# Allegro board mini_trx_layout.brd (continued)
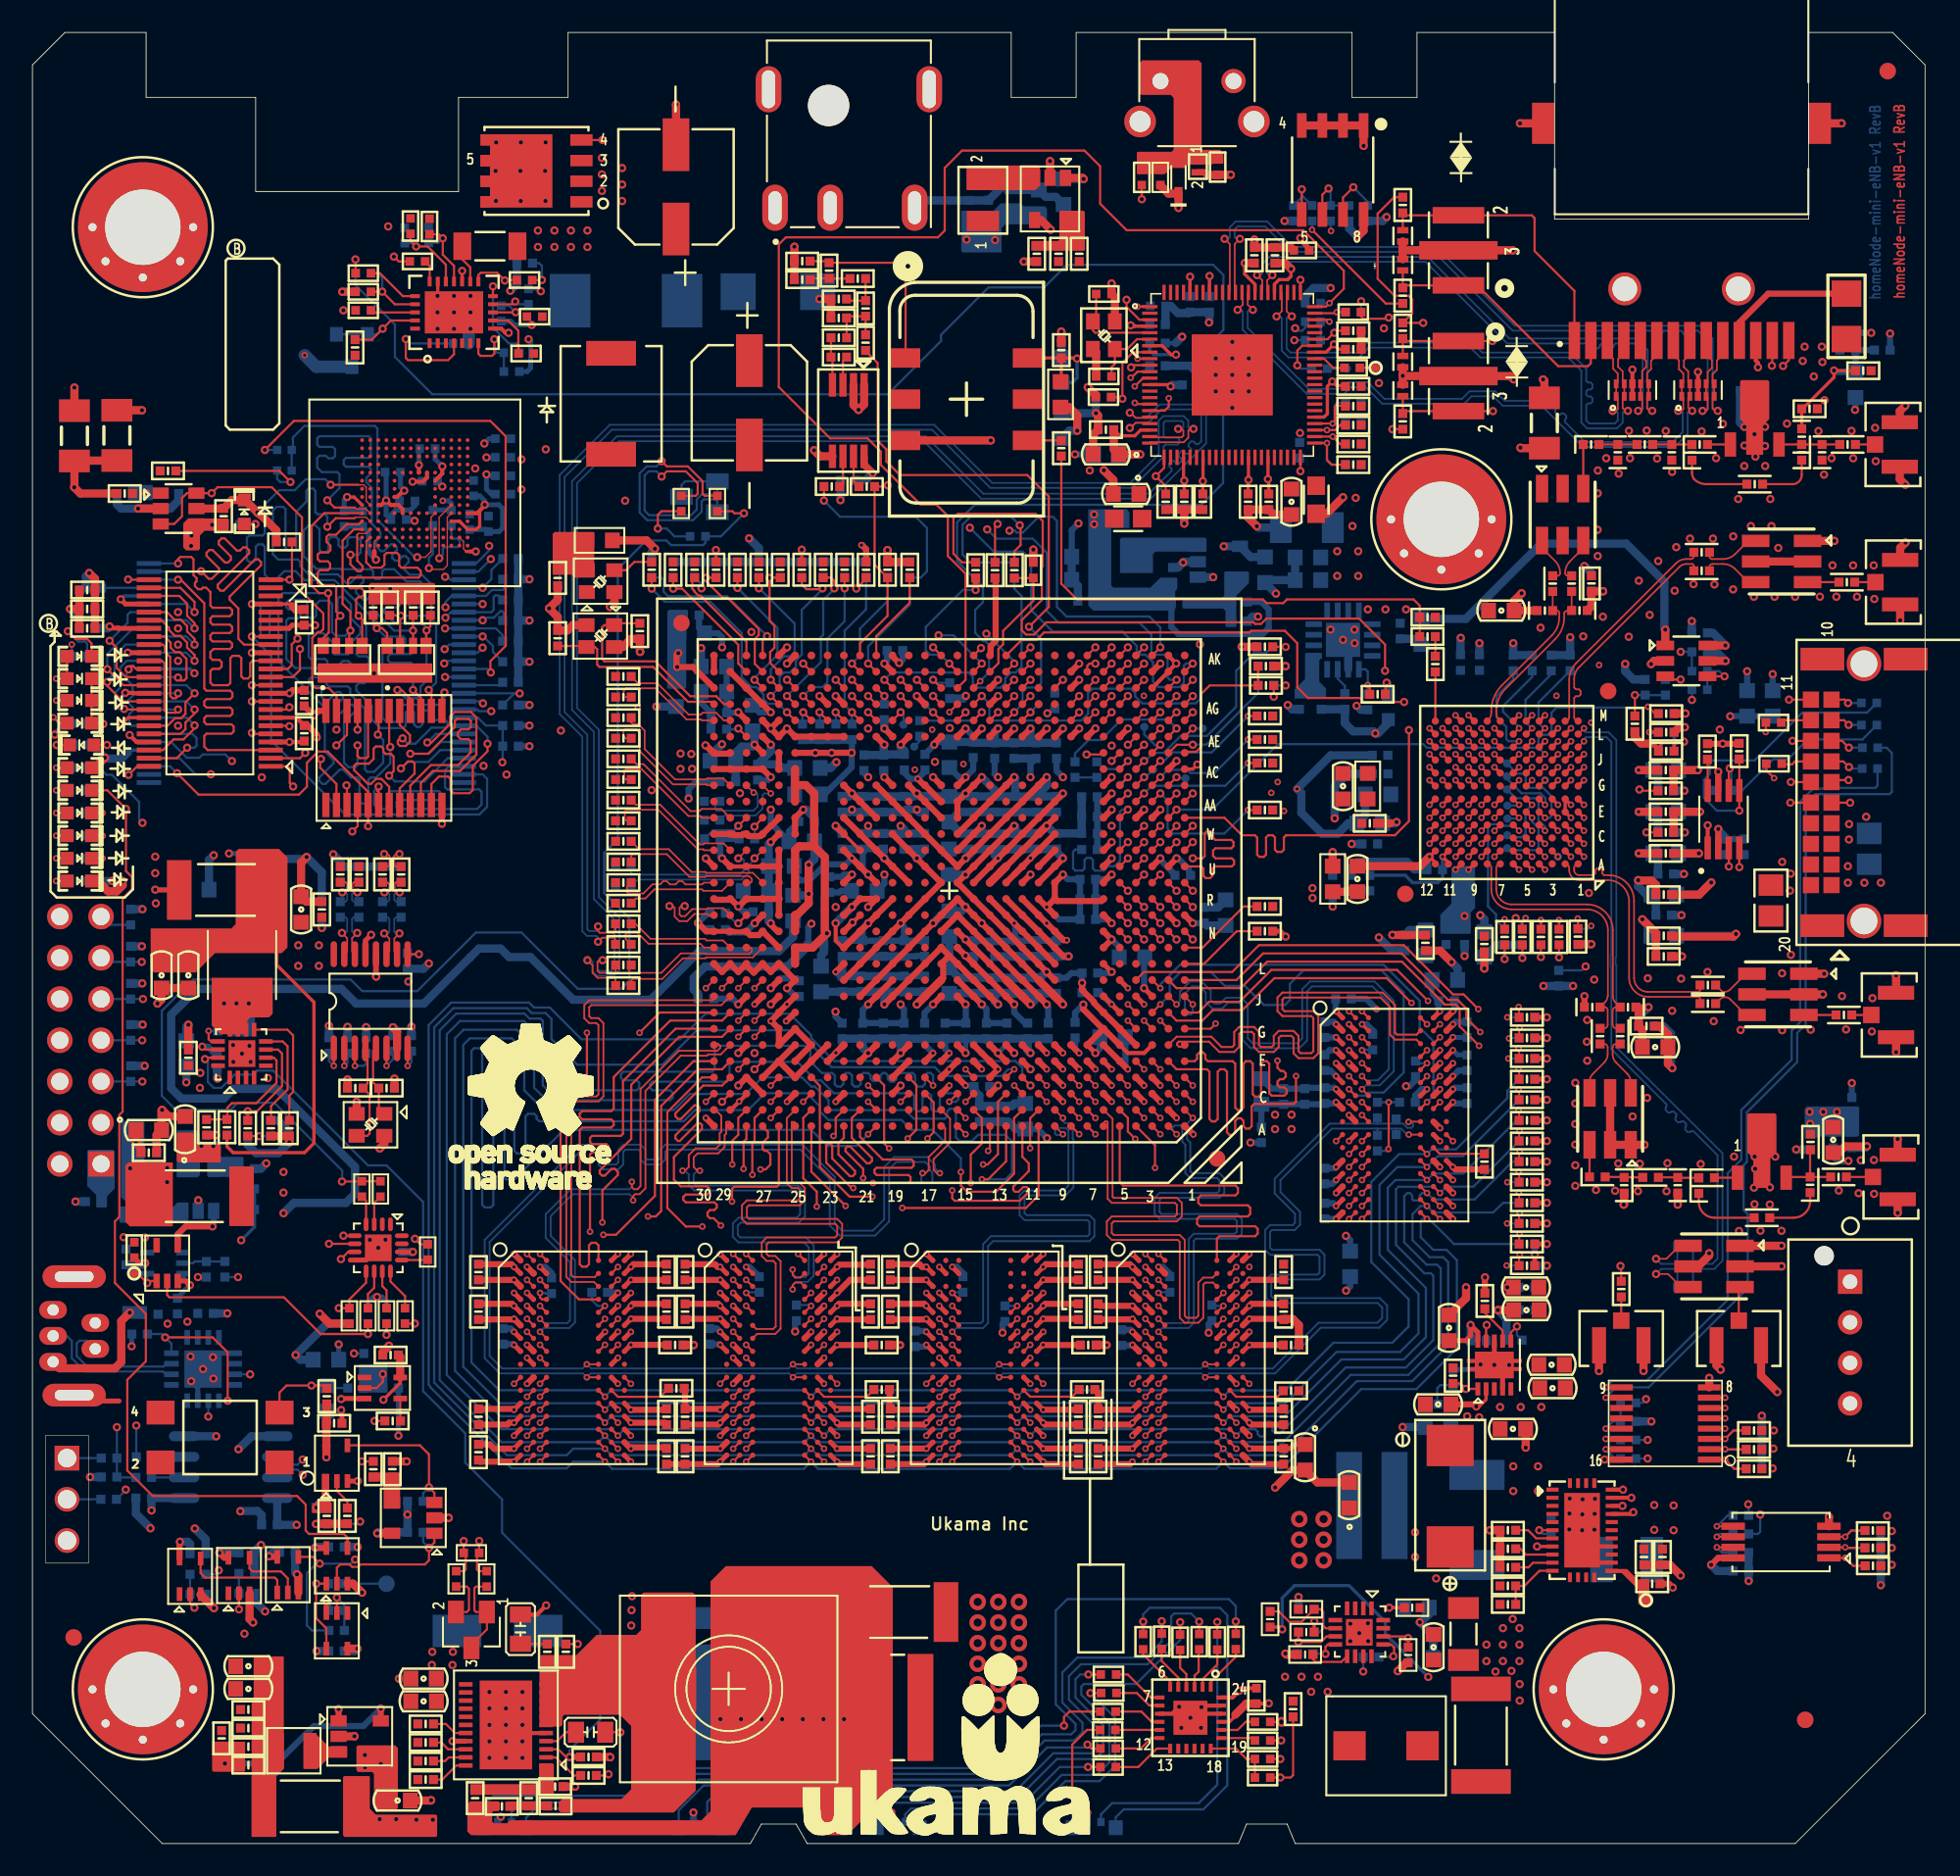
[diagram p0: board, top side]
## Routing (per net, layer and track width the routed paths; a pad name or vN(x,y) marks a point on that pad's centre or on a via; arc(x,y) is an arc through that point) (continued)
  BOTTOM w0.137: R612.2 79.98,99.39 v2(80,99.37)
EE_DOUT_C1_LED: length 111.4
  TOP w0.137: v2(78.84,99.44) 83.38,94.9 84.42,94.9 R615.1 ; LED21.1 1.64,69.04 v2(1.29,69.4) ; U243.11 68.08,90.7 67.71,90.33 v2(67.66,90.33)
  L3-SIGNAL w0.127: v2(1.29,69.4) 1.85,69.96 1.85,70.69 1.07,71.48 1.07,72.07 1.37,72.38 1.37,78.74 13.58,90.95 16.58,90.95 17.21,91.58 17.4,91.78 62.92,91.78 63.97,90.73 67.26,90.73 v2(67.66,90.33) 67.71,90.33 68.08,90.7 70.14,90.7 71.98,92.54 71.98,98.91 72.58,99.51 78.76,99.51 v2(78.84,99.44)
  BOTTOM w0.137: R611.2 v2(78.84,99.44)
EEPROM_WP: length 8.7
  TOP w0.137: U1.AJ15 v1(56.49,72.71)
  TOP w0.381: v1(58.11,77.24) R401.1
  BOTTOM w0.137: v1(56.49,72.71) 55.94,73.26 55.3,73.26 55.04,73.52 55.04,74.96 57.32,77.24 v1(58.11,77.24)
EFUSE_IN_12V: length 0.7
  TOP w0.203: U246.15 v1(26.47,96.91)
  vias: v1(31.14,99.4) v1(31.14,98.38) v1(32.16,99.4) v1(32.16,98.38) v1(33.17,99.4) v1(33.17,98.38) v1(34.19,99.4) v1(34.19,98.38)
EMMC_3V3: length 27.3
  TOP w0.203: 27.39,81.98 27.55,81.98 27.55,81.18 27.35,80.98 U29.P3 U29.N4 U29.M4 ; 20.97,77.45 v1(20.95,77.42)
  TOP w0.254: U29.P5 27.39,81.98 27.86,82.45 v1(27.86,82.5) ; v1(25.25,84.86) 25.25,84.42 U29.K9 ; v1(21.79,82.76) 21.79,82.77 ; 21.79,82.77 21.77,82.77 21.48,82.48 U29.C6 ; 21.79,82.77 22.08,82.48 U29.E6 22.55,82.48 22.81,82.22 U29.F5 ; v1(23.42,83.92) 24.05,83.92 24.31,84.18 U29.J10
  BOTTOM w0.305: v1(23.42,83.92) 23.44,83.95 C376.1 ; C386.1 28.06,84.28 v1(27.97,84.37) 27.97,83.46 28.27,83.15 C387.1 ; v1(25.25,84.86) 24.81,85.3 C377.1 ; C385.1 28.5,85.41 v1(27.97,85.41) ; v2(25.28,82.74) 25.64,82.74 25.81,82.58 R420.1 25.79,82.18 R419.1 ; C374.1 23.56,82.44 23.29,82.17 22.39,82.17 22.08,81.86 C375.1 21.79,81.88 v1(21.79,82.76) 21.79,84.44 C372.1 ; C384.1 28.14,86.57 v1(27.84,86.27) ; C381.1 27.56,83.04 27.86,82.74 v1(27.86,82.5) 28.73,82.5 28.97,82.26 28.97,81.06 28.75,80.85 C382.1 27.97,80.97 C379.1
  vias: v1(9.8,80.6) v1(9.77,79.96) v1(11.07,81.26) v1(21.05,72.11) v1(22.04,77.35)
EMMC_CLK: length 45.5
  TOP w0.083: v1(25.06,79.2) 25.06,79.21 25.06,81.73 U29.M6
  TOP w0.137: U27.21 v1(20.03,68.64)
  L3-SIGNAL w0.127: v1(20.03,68.64) 19.9,68.64 19.25,67.99 19.25,66.15 17.47,64.36 15.58,64.36 14.57,65.37 14.57,65.89 14.19,66.27 13.43,66.27 13.09,65.93 11.97,65.93 11.12,66.78 11.12,74.55 11.3,74.72 11.3,75.25 14.7,78.65 16.16,78.65 16.19,78.62 23.74,78.62 24.4,79.28 24.99,79.28 v1(25.06,79.2)
  BOTTOM w0.137: R420.2 25.81,80.49 25.88,80.41 26.18,80.41 26.31,80.27 26.31,80.03 26.18,79.89 25.41,79.89 25.28,79.75 25.28,79.42 25.06,79.2 v1(25.06,79.2)
EMMC_CMD: length 45.6
  TOP w0.083: v1(24.43,78.59) 24.5,78.51 25.32,78.51 25.56,78.75 25.56,81.73 U29.M5
  TOP w0.137: v1(18.73,67.67) 19.38,68.32 U27.22
  L3-SIGNAL w0.127: v1(24.43,78.59) 24.11,78.27 16.07,78.27 16.02,78.32 14.84,78.32 12.65,76.14 12.65,75.96 12.94,75.67 12.94,75.49 12.76,75.31 12.58,75.31 12.29,75.6 12.11,75.6 11.63,75.11 11.63,74.59 11.45,74.41 11.45,66.91 12.1,66.26 12.88,66.26 13.28,66.65 14.37,66.65 14.9,66.12 14.9,65.51 15.72,64.69 17.11,64.69 17.67,65.25 17.67,65.43 17.26,65.84 17.26,66.02 17.44,66.2 17.62,66.2 18.02,65.79 18.2,65.79 18.73,66.31 v1(18.73,67.67)
  BOTTOM w0.137: R419.2 24.67,79.47 24.43,79.23 v1(24.43,78.59)
EMMC_D0: length 40.8
  TOP w0.137: U29.A3 19.8,80.98 19.1,80.28 19.1,76.39 19.59,75.91 v1(19.59,74.74) 19.52,74.67 19.52,73.81 NR1.6 ; U27.20 20.68,66.98 20.58,66.88 20.16,66.88 20.03,67.02 v1(20.03,67.67)
  BOTTOM w0.137: v1(19.59,74.74) 19.27,74.43 18.69,74.43 18.46,74.65 18.46,76.37 18.25,76.58 17.69,76.58 17.48,76.37 17.48,75.66 17.34,75.52 17.07,75.52 16.93,75.66 16.93,76.5 16.79,76.64 15.82,76.64 15.64,76.46 15.64,76.19 15.78,76.05 16.36,76.05 16.5,75.91 16.5,75.64 16.36,75.5 15.78,75.5 15.64,75.36 15.64,72.98 16.19,72.44 17.66,72.44 17.8,72.3 17.8,72 17.66,71.86 17.17,71.86 17.04,71.73 17.04,71.45 17.17,71.32 17.66,71.32 17.8,71.18 17.8,70.69 18.04,70.45 18.23,70.45 18.74,70.95 18.93,70.95 19.13,70.76 19.13,70.57 18.62,70.06 18.62,69.87 18.82,69.67 19.01,69.67 19.52,70.18 19.71,70.18 19.9,69.98 19.9,69.79 19.53,69.41 19.53,69.4 19.2,69.07 19.2,66.6 19.47,66.33 19.89,66.33 20.03,66.47 v1(20.03,67.67)
EMMC_D1: length 40.6
  TOP w0.137: U27.19 21.33,68.38 v1(21.28,68.33) ; NR1.7 18.71,75.4 v1(18.97,75.66) 18.71,75.91 18.71,77.41 18.58,77.55 17.71,77.55 17.57,77.69 17.57,78.33 17.71,78.46 18.2,78.46 18.34,78.6 18.34,78.87 18.2,79.01 17.71,79.01 17.57,79.15 17.57,79.42 17.71,79.56 18.22,79.56 18.36,79.7 18.36,79.97 18.11,80.22 18.11,80.51 18.25,80.65 18.7,80.65 19.36,81.31 20.14,81.31 U29.A4
  BOTTOM w0.137: v1(18.97,75.66) 18.8,75.82 18.8,76.69 18.94,76.82 19.16,76.82 19.62,76.36 19.62,75.5 20.2,74.91 20.2,74.57 19.58,73.94 19.58,73.42 19.44,73.28 18.62,73.28 18.48,73.42 18.48,74.02 17.93,74.58 17.15,74.58 17.02,74.44 17.02,73.13 17.15,72.99 18.03,72.99 18.17,72.86 18.17,72.49 18.3,72.36 18.61,72.36 19.12,72.87 19.44,72.87 19.58,72.74 19.58,72.12 19.44,71.98 18.25,71.98 18.11,71.84 18.11,71.44 18.25,71.3 19.44,71.3 19.58,71.16 19.58,70.82 20.49,69.91 20.49,66.18 20.63,66.04 21.05,66.04 21.61,66.6 21.61,68 v1(21.28,68.33)
EMMC_D2: length 44.2
  TOP w0.137: U29.A5 20.31,81.98 17.98,81.98 17.2,81.2 17.2,77.51 17.66,77.05 v1(18.22,77.05) 18.26,77.01 18.26,74.63 17.91,74.28 NR1.8 ; v1(22.04,67.57) 22.04,67.59 21.98,67.66 U27.18
  BOTTOM w0.137: v1(18.22,77.05) 15.42,77.05 15.16,76.79 15.16,76.52 15.02,76.39 14.2,76.39 14.06,76.25 14.06,74.49 14.2,74.36 14.47,74.36 14.61,74.49 14.61,75.7 14.75,75.84 15.02,75.84 15.16,75.7 15.16,72.85 18.01,70 18.01,67.3 18.55,66.76 18.55,66.57 17.67,65.68 17.67,65.49 17.86,65.3 18.05,65.3 18.94,66.18 19.13,66.18 19.63,65.69 20.01,65.69 20.15,65.55 20.15,64.22 20.29,64.09 20.56,64.09 20.7,64.22 20.7,65.55 20.83,65.69 21.18,65.69 22.04,66.55 v1(22.04,67.57)
EMMC_D3: length 41.6
  TOP w0.083: 20.56,80.23 20.56,79.64
  TOP w0.137: 20.56,79.64 20.56,78.95 20.9,78.62 21.5,78.62 21.69,78.8 21.69,79.39 21.82,79.53 22.46,79.53 22.6,79.39 22.6,78.75 22.73,78.62 23.72,78.62 23.92,78.41 23.92,78.14 23.78,78.01 19.58,78.01 19.44,77.87 19.44,77.49 19.58,77.35 20.26,77.35 20.4,77.22 20.4,76.94 20.26,76.8 20.08,76.8 19.94,76.67 19.94,75.81 v1(20.1,75.66) 20.31,75.44 NR1.5 ; U27.17 22.63,68.94 23.26,68.3 23.26,67.9 22.99,67.63 22.65,67.63 22.51,67.77 22.51,67.96 22.65,68.1 v1(22.8,68.1) ; U29.B2 20.56,80.23
  BOTTOM w0.137: v1(20.1,75.66) 20.13,75.66 20.55,75.23 20.55,73.9 20.42,73.76 20.1,73.76 19.96,73.63 19.96,73.3 20.1,73.16 20.59,73.16 20.72,73.02 20.72,72.75 20.59,72.61 20.1,72.61 19.96,72.47 19.96,72.18 20.1,72.04 20.46,72.04 20.59,71.91 20.59,71.63 20.46,71.49 20.1,71.49 19.96,71.36 19.96,71.05 20.9,70.11 20.9,69.28 21.44,68.74 22.14,68.74 22.85,68.74 22.99,68.87 22.99,69.69 23.13,69.83 23.37,69.83 23.51,69.69 23.51,68.96 23.67,68.8 23.87,68.8 24.03,68.96 24.03,69.69 24.16,69.83 24.41,69.83 24.55,69.69 24.55,69.38 24.7,69.23 25.43,69.23 25.57,69.09 25.57,68.9 25.43,68.76 24.58,68.76 23.59,67.77 23.13,67.77 v1(22.8,68.1)
EMMC_D4: length 41.8
  TOP w0.083: 20.01,80.65 20.09,80.73 20.56,80.73 20.81,80.98 U29.B3
  TOP w0.137: v1(22.48,71.08) 22.74,71.08 23.28,70.55 U27.16 ; NR2.5 24.25,74.73 v1(24.28,74.76) 24.52,74.99 R178.1 ; 20.01,80.65 20.01,79.05 20.34,78.71 20.34,78.52 20.22,78.4 20.03,78.4 19.59,78.83 v1(19.59,79.42)
  BOTTOM w0.137: v1(22.48,71.08) 22.99,70.58 23.7,70.58 23.91,70.78 23.91,71.29 24.28,71.66 v1(24.28,74.76) 24.28,74.93 24.01,75.2 22.33,75.2 21.68,75.85 21.68,76.04 21.82,76.18 22.49,76.18 22.63,76.32 22.63,76.87 22.82,77.07 23.04,77.07 23.18,76.93 23.18,76.32 23.31,76.18 23.89,76.18 24.23,76.51 24.23,77.42 23.87,77.78 23.03,77.78 22.28,78.53 21.68,78.53 21.54,78.39 21.54,78.07 21.4,77.93 21.13,77.93 20.99,78.07 20.99,78.39 20.85,78.53 18.98,78.53 18.95,78.55 17.49,78.55 16.7,79.33 16.7,80.91 17.02,81.23 17.44,81.23 17.69,80.98 17.69,79.72 17.82,79.58 18.1,79.58 18.24,79.72 18.24,80.36 18.37,80.5 18.72,80.5 18.86,80.36 18.86,80 19,79.87 19.27,79.87 19.41,80 19.41,80.36 19.55,80.5 20.02,80.5 20.22,80.29 20.22,79.56 20.08,79.42 v1(19.59,79.42)
EMMC_D5: length 43
  TOP w0.083: U29.B4 20.56,81.73 19.9,81.73 19.84,81.67
  TOP w0.137: R174.1 23.45,75.68 v1(23.45,74.74) 23.45,74.74 NR2.6 ; U27.15 23.93,70.6 v1(23.45,71.08) ; v1(18.17,81.14) 18.69,81.67 19.84,81.67
  BOTTOM w0.137: v1(23.45,71.08) 23.45,71.52 23.31,71.66 22.1,71.66 21.96,71.79 21.96,72.07 22.09,72.19 23.31,72.19 23.45,72.33 23.45,72.62 23.31,72.76 22.05,72.76 21.91,72.91 21.91,73.15 22.06,73.3 23.31,73.3 23.45,73.43 v1(23.45,74.74) 22.28,74.74 20.98,76.04 20.98,76.3 21.31,76.63 21.31,76.83 21.15,76.99 21.13,76.97 20.91,76.97 20.58,76.64 20.39,76.64 19.93,77.09 19.93,77.29 20.39,77.75 20.39,77.95 20.22,78.12 20.03,78.12 19.57,77.66 19.36,77.66 18.81,78.21 17.01,78.21 16.5,78.72 16.5,78.98 16.37,79.12 15.14,79.12 14.81,79.45 14.81,82.15 15.03,82.37 15.45,82.37 15.59,82.23 15.59,79.84 15.76,79.67 16.11,79.67 16.25,79.81 16.25,82.06 16.88,82.69 16.88,83.36 17.02,83.49 17.29,83.49 17.43,83.36 17.43,82.05 17.57,81.91 18.03,81.91 18.17,81.77 v1(18.17,81.14)
EMMC_D6: length 43.1
  TOP w0.083: U29.B5 20.81,81.98 20.56,82.23 19.97,82.23 19.87,82.33
  TOP w0.137: R170.1 22.66,75.69 v1(22.69,75.66) 22.65,75.62 NR2.7 ; v1(18.17,82.77) 18.61,82.33 19.87,82.33 ; U27.14 24.58,70.92 v1(24.41,71.08)
  BOTTOM w0.137: v1(18.17,82.77) 18.92,83.52 18.92,84.37 18.78,84.51 17.83,84.51 17.54,84.79 17.54,85.38 17.68,85.51 18.08,85.51 18.23,85.36 18.51,85.36 18.64,85.5 18.64,85.93 18.51,86.06 17.68,86.06 17.54,86.2 17.54,86.58 17.68,86.72 20.71,86.72 20.85,86.58 20.85,85.52 20.71,85.39 19.32,85.39 19.18,85.25 19.18,84.98 19.32,84.84 20.71,84.84 20.85,84.7 20.85,84.43 20.58,84.16 20.58,83.87 20.91,83.54 20.91,81.32 21.44,80.79 21.44,80.51 21.18,80.24 21.18,79.94 21.47,79.65 21.66,79.65 22.08,80.06 22.27,80.06 22.44,79.89 22.44,79.69 22.17,79.42 22.17,79.22 22.34,79.05 22.53,79.05 22.81,79.33 23,79.33 23.18,79.16 23.18,78.96 22.92,78.7 22.92,78.51 23.24,78.18 23.99,78.18 24.58,77.6 24.58,75.74 24.43,75.59 ; v1(24.41,71.08) 24.87,71.54 24.87,75.15 24.43,75.59 ; v1(22.69,75.66) 24.36,75.66 24.43,75.59
EMMC_D7: length 42.6
  TOP w0.083: 20.09,83.73 20.21,83.73 20.21,83.73 20.41,83.73 20.56,83.58 20.56,82.73 U29.B6
  TOP w0.137: U27.13 25.23,70.78 v1(25.38,70.93) ; NR2.8 21.85,74.59 21.54,74.89 v1(21.21,74.89) 20.99,75.11 R168.1 ; v1(18.37,83.73) 20.09,83.73
  BOTTOM w0.137: v1(18.37,83.73) 18.37,83.74 18.04,84.07 16.84,84.07 16.16,83.4 15.2,83.4 14.31,82.51 14.31,80.74 14.17,80.6 13.35,80.6 13.21,80.47 13.21,79.11 13.35,78.98 13.62,78.98 13.76,79.11 13.76,79.92 13.9,80.05 14.17,80.05 14.31,79.92 14.31,78.19 14.71,77.79 14.9,77.79 15.51,78.4 16.21,78.4 16.76,77.85 18.61,77.85 21.21,75.25 v1(21.21,74.89) 21.73,74.37 22.83,74.37 22.97,74.24 22.97,73.8 22.83,73.66 21.89,73.66 21.56,73.33 21.56,69.37 21.81,69.12 22.42,69.12 22.62,69.32 22.62,70 22.8,70.17 25.24,70.17 25.38,70.31 v1(25.38,70.93)
ENODEB_IN_12V: length 5.7
  TOP w0.137: U246.12 v1(28.37,95.96)
  BOTTOM w0.137: v1(28.37,95.96) 28.37,93.42 29.36,92.43 29.86,92.43 29.99,92.29 R548.2
  vias: v1(35.08,103.87) v1(35.08,102.85) v1(35.08,101.84) v1(36.33,103.25) v1(36.33,102.23) v1(36.33,101.21) v1(99.92,20.86) v1(99.92,19.33) v1(101.11,20.83) v1(101.11,19.31) v1(111.85,60.22) v1(111.85,59.21) v1(112.86,59.21) v1(113.88,59.21)
ETH_SWITCH_RST: length 8.1
  TOP w0.137: R604.2 61.66,77.98 R603.2 61.66,76.58 59.8,74.72 59.8,73.9 59.51,73.61 59.51,72.74 U1.AJ13
ETH_SWT_INT: length 82
  TOP w0.137: U243.66 79.68,94.7 v2(79.91,94.92) 80.79,95.81 80.79,96.92 78.29,99.42 67.41,99.42 65.78,101.04 65.78,103.36 64.81,104.32 57.27,104.32 56.2,103.25 56.2,99.39 55.78,98.97 46.41,98.97 45.98,98.54 45.98,89.76 49.15,86.59 51.45,86.59 52.27,85.77 52.27,84.95 54.72,82.5 55.7,82.5 56.4,81.8 56.4,79.34 57.49,78.25 57.49,71.71 U1.AH15
  BOTTOM w0.137: R593.2 v2(79.91,94.92)
ETH_SWT_LED1_N: length 123.8
  TOP w0.137: v1(85.68,93.7) R616.2 85.01,94.29 85.01,95.15 84.78,95.38 83.92,95.38 82.87,96.42 82.87,100.43 83.89,101.45 R614.1 ; LED19.2 3.64,73.95 3.37,74.22 2.66,74.22 v1(2.18,74.7)
  L6-SIGNAL w0.127: v1(2.18,74.7) 3.16,75.68 3.16,76.82 15.56,89.22 15.56,93.9 19.86,98.21 22.44,98.21 23.2,97.44 23.2,94.49 25.42,92.28 48.58,92.28 51.52,95.22 59.8,95.22 63.26,98.68 71.7,98.68 73.45,100.43 79.5,100.43 80.84,99.09 80.84,98.54 v1(85.68,93.7)
  BOTTOM w0.137: R588.1 3.37,73.95 3.24,74.07 2.81,74.07 v1(2.18,74.7)
ETH_SYNCE: length 4.9
  TOP w0.381: R610.2 59.34,77.94 59.34,74.1 59.03,73.79 59.03,73.25 U1.AK13
GREEN1: length 50.2
  TOP w0.137: R572.1 v1(69.57,13.7)
  BOTTOM w0.137: LED11.4 30.41,1.59 30.98,2.16 39.27,2.16 41.05,3.94 59.94,3.94 62.36,6.35 64.19,6.35 64.69,6.86 64.69,7.44 63.45,8.69 63.45,10.54 64.36,11.46 68.58,11.46 69.57,12.45 v1(69.57,13.7)
GREEN2: length 25.6
  TOP w0.137: R573.1 v1(68.43,13.68)
  BOTTOM w0.137: v1(68.43,13.68) 68.43,14.12 68.83,14.53 73.15,14.53 73.61,14.07 73.61,3.58 72.14,2.11 67.23,2.11 66.74,1.61 LED12.4
GREEN3: length 33
  TOP w0.137: R574.1 v1(65.05,10.42)
  BOTTOM w0.137: LED13.4 42.48,2.32 43.03,2.87 60.78,2.87 63.12,5.21 65.48,5.21 65.96,5.69 65.96,7.29 64.26,8.99 64.26,10.13 64.54,10.42 v1(65.05,10.42)
GREEN4: length 19.6
  TOP w0.137: R575.1 65.18,9.27 v1(65.18,9.27)
  BOTTOM w0.137: LED14.4 54.67,1.43 55.04,1.8 61.59,1.8 63.64,3.85 65.75,3.85 66.7,4.8 66.7,7.75 v1(65.18,9.27)
IO_EXP_INTN: length 91.9
  TOP w0.137: v1(84.51,70.34) 82.03,70.34 81.78,70.59 78.58,70.59 77.92,71.25 77.92,73.97 77.16,74.73 75.08,74.73 74.98,74.63 62.32,74.63 61.85,74.16 60.94,74.16 U1.AK12
  L3-SIGNAL w0.127: v1(84.51,70.34) 95.94,70.34 97.02,71.43 100.67,71.43 101.79,70.31 101.79,70.29 102.05,70.03 102.07,70.03 102.28,69.82 102.28,66.46 102.15,66.33 102.15,65.96 102.23,65.87 102.23,62.5 102.24,62.49 102.24,62.13 102.23,62.12 102.23,61.21 102.22,61.2 102.22,60.83 102.23,60.82 102.23,30.24 99.41,27.41 v1(99.41,27.38)
  BOTTOM w0.137: R359.1 99.18,27.16 v1(99.41,27.38)
IOEXP_ADDR0: length 4.1
  TOP w0.137: U20.1 v2(104.28,23.66) 104.85,23.09 R204.1
  BOTTOM w0.137: R205.2 104.85,23.09 v2(104.28,23.66)
IOEXP_ADDR1: length 3.6
  TOP w0.137: R206.1 104.29,24.29 v2(104.28,24.3) U20.2
  BOTTOM w0.137: R207.2 104.29,24.29 v2(104.28,24.3)
IOEXP_ADDR2: length 4
  TOP w0.137: R208.1 104.8,25.45 v2(104.28,24.93) U20.3
  BOTTOM w0.137: R209.2 104.8,25.45 v2(104.28,24.93)
LED_DRIVER_RST_L: length 205.6
  TOP w0.137: R584.1 v1(76.88,4.07) 77.51,4.07 77.67,4.22 R576.1 ; v1(58.49,70.71) U1.AG14
  L3-SIGNAL w0.127: v1(71.93,73.89) 72.25,74.22 72.25,78.17 72.55,78.47 72.55,84.67 72.6,84.71 72.6,84.76 76.17,88.33 76.17,94.42 77.66,95.91 78.3,95.91 79.33,96.94 81.52,96.94 82.81,95.65 82.81,95.2 82.81,91.25 78.91,87.35 78.91,74.69 80.52,73.08 97.51,73.08 97.57,73.14 101.21,73.14 101.36,72.99 103.8,72.99 104.13,73.32 109.21,73.32 110.41,72.12 110.41,54.6 109.05,53.24 109.05,43.48 109.44,43.09 109.44,42.45 109.24,42.26 109.24,39.95 109.61,39.58 109.61,37.9 109.2,37.49 109.2,27.62 108.91,27.32 108.91,19.07 108.72,18.87 107.29,17.45 104.33,17.45 103.61,16.73 103.24,16.73 102.68,17.29 102.51,17.45 95.5,17.45 94.26,16.21 92.44,16.21 87.1,10.87 87.1,9.81 86.71,9.42 81.36,4.07 v1(76.88,4.07)
  BOTTOM w0.137: v1(58.49,70.71) 58.95,70.24 58.95,69.34 59.1,69.2 64.61,69.2 65.04,69.62 65.04,70.9 65.3,71.16 67.67,71.16 67.94,70.9 67.94,70.69 68.37,70.26 71.67,70.26 71.94,70.52 71.94,72.9 71.93,72.91 v1(71.93,73.89)
LNA_EN: length 38.7
  TOP w0.137: J23.6 110.96,65.53 v1(111.89,65.53) ; R473.2 v1(90.7,54.5)
  L6-SIGNAL w0.127: v1(111.89,65.53) 112.06,65.36 112.06,64.99 112.43,64.63 112.43,63.95 112.17,63.69 112.01,63.69 110.32,62.01 110.32,58.59 99.53,47.8 94.52,47.8 92.86,49.46 92.86,49.7 91,51.55 91,54.2 v1(90.7,54.5)
MB_I2C_SCL_3P3: length 163.3
  TOP w0.137: R169.2 23.9,36.93 v1(23.56,37.27) ; U254.3 v1(104.51,60.21) ; R579.1 v1(76.93,6.35)
  L3-SIGNAL w0.127: v1(23.56,37.27) 22.91,36.61 22.91,25.91 31.37,17.45 60.83,17.45 60.93,17.35 60.95,17.35 67.41,10.89 67.41,9.64 70.7,6.35 v1(76.93,6.35) 81.18,6.35 92.03,17.2 93.85,17.2 95.09,18.44 101.58,18.44 103.56,20.42 106.29,20.42 v1(106.44,20.27) 106.44,21.14 105.51,22.08 101.82,22.08 99.51,24.39 v1(99.51,24.87) 100.28,25.64 100.28,27.35 102.89,29.96 102.89,31.49 104.39,32.99 104.39,41.26 104.65,41.52 104.65,41.89 104.39,42.15 104.39,42.51 104.39,42.52 104.39,60.09 v1(104.51,60.21)
  BOTTOM w0.137: v1(104.51,60.21) 104.51,60.66 R622.2 ; v1(106.44,20.27) 106.44,19.22 106.31,19.08 R562.1 ; R358.1 v1(99.51,24.87)
MB_I2C_SDA_3P3: length 154.5
  TOP w0.137: U254.4 v1(105.16,60.17) ; R582.1 v3(76.96,7.5) ; R171.2 v1(23.56,32.04)
  L3-SIGNAL w0.127: v1(23.56,32.04) 23.27,31.75 23.27,26.02 31.35,17.94 63.2,17.94 73.64,7.5 v3(76.96,7.5) 81.86,7.5 91.89,17.53 93.71,17.53 94.95,18.77 95,18.77 101.39,18.77 103.52,20.91 v1(105.71,20.91) 105.71,21.26 105.33,21.64 101.59,21.64 v1(99.51,23.73) 99.05,24.18 99.05,26.29 99.95,27.19 99.95,27.49 102.56,30.1 102.56,31.63 104.06,33.13 104.06,42 104.06,42.01 104.06,42.65 104.06,42.66 104.06,43.53 104.06,60.39 104.33,60.65 104.69,60.65 104.95,60.39 104.95,60.37 v1(105.16,60.17)
  BOTTOM w0.137: R357.1 v1(99.51,23.73) ; v1(105.16,60.17) 105.16,60.64 R623.2 ; v1(105.71,20.91) 105.73,20.88 R561.1
MMC_ISOLATE#: length 26.1
  TOP w0.137: U24.3 8.73,81.31 9.21,81.79 9.21,82.91 9.52,83.21 U24.6 v1(11.04,83.21) 11.41,83.58 14.74,83.58 16.61,81.72 16.61,77.12 17.92,75.81 17.92,74.83 17.74,74.65 17.59,74.65 17.24,74.3 17.24,71.4 17.44,71.2 18.26,71.2 18.73,70.73 U27.23
  BOTTOM w0.137: R161.1 10,83.21 v1(11.04,83.21)
MPG: length 160.2
  TOP w0.137: v1(89.59,31.95) 89.56,31.92 U42.9 ; LED5.1 v1(4.59,67.69)
  L3-SIGNAL w0.127: v1(4.59,67.69) 3.77,67.69 3.19,67.11 3.19,60.33 6.01,57.51 6.01,46.05 7.59,44.47 7.59,24.41 10.51,21.49 10.51,17.11 12.16,15.46 12.16,13.83 v1(13.06,12.93)
  L6-SIGNAL w0.127: v1(89.59,31.95) 90.53,31.01 90.53,29.3 90.86,28.97 90.86,24.55 90.64,24.33 90.64,17.93 84.93,12.22 84.57,12.22 83.05,13.73 83.05,13.89 81.03,15.92 18.01,15.92 15.02,12.93 v1(13.06,12.93)
  BOTTOM w0.137: R236.2 89.57,31.93 v1(89.59,31.95)
NO_CPU: length 5.4
  TOP w0.137: R601.1 80.05,84.97 79.75,85.27 v2(79.75,86.3) U243.45
  BOTTOM w0.137: v2(79.75,86.3) 79.75,86.3 79.75,85.22 80,84.97 R600.2
P0_MODE_0: length 4.8
  TOP w0.137: R590.1 80.34,88.62 80.23,88.52 80.23,87.63 v2(80.11,87.5) U243.48
  BOTTOM w0.137: R589.2 80.37,88.78 80.23,88.64 80.23,87.63 v2(80.11,87.5)
P0_MODE_1: length 3.3
  TOP w0.137: R594.1 80.6,87.43 80.27,87.1 80.26,87.1 80.26,87.1 v2(79.75,87.1) U243.47
  BOTTOM w0.137: v2(79.75,87.1) 79.75,87.1 80.27,87.1 80.68,87.51 R591.2
P0_MODE_2: length 3.1
  TOP w0.137: R597.1 80.57,86.24 v2(80.11,86.7) U243.46
  BOTTOM w0.137: v2(80.11,86.7) 80.57,86.24 R596.2
P5_SMODE: length 5.7
  TOP w0.137: 67.15,89.02 67.15,91.24 67.81,91.9 U243.8 ; 67.15,89.02 67.04,89.13 R602.2 ; 67.15,89.02 v1(67.15,89.03)
  BOTTOM w0.137: R602.2 66.92,89.13 67.02,89.03 v1(67.15,89.03)
PA_DRIVER_EN: length 34.4
  TOP w0.137: J23.5 v1(111.98,64.14) ; R471.2 v1(91.79,54.57)
  L6-SIGNAL w0.127: v1(111.98,64.14) 109.94,62.09 109.94,58.68 100.23,48.97 95.58,48.97 95.17,49.38 94.08,50.47 93.12,50.47 92.86,50.73 92.86,50.84 91.79,51.91 v1(91.79,54.57)
PA_EN: length 33.3
  TOP w0.137: R470.2 v1(94.05,54.6) ; J23.15 v1(108.33,65.41)
  L6-SIGNAL w0.127: v1(108.33,65.41) 107.74,64.82 107.74,63.79 108.92,62.62 108.92,58.59 100.64,50.31 95.21,50.31 93.76,51.75 93.11,51.75 92.52,52.35 92.52,53.35 93.77,54.6 v1(94.05,54.6)
PA_ETH_D0N: length 35.4
  TOP w0.107: v1(76.65,94.1) 76.97,94.42 76.97,95.53 U243.70 ; v1(98.29,88.28) 98.14,88.28 97.97,88.45 97.97,89.08 U252.2 U252.9 97.97,90.05 97.97,90.71 97.69,91 97.69,91.48 98.04,91.83 J12.4
  BOTTOM w0.107: v1(76.65,94.1) 76.86,94.1 76.97,94 76.97,91.99 77.39,91.57 81.71,91.57 82.32,92.18 88.59,92.18 89.2,91.57 94.61,91.57 95.42,90.76 95.42,87.56 95.78,87.2 97.61,87.2 97.97,87.56 97.97,88.18 98.08,88.28 v1(98.29,88.28)
PA_ETH_D0P: length 35.4
  TOP w0.107: J12.3 97.03,91.84 97.38,91.49 97.38,90.87 97.67,90.59 97.67,90.05 U252.10 U252.1 97.67,89.08 97.67,88.39 97.56,88.28 v1(97.35,88.28) ; v1(77.59,94.1) 77.27,94.42 77.27,95.53 U243.69
  BOTTOM w0.107: v1(77.59,94.1) 77.38,94.1 77.27,94 77.27,92.12 77.51,91.88 81.58,91.88 82.19,92.48 88.72,92.48 89.33,91.88 94.74,91.88 95.73,90.88 95.73,90.13 95.83,90.02 96,90.02 96.11,89.92 96.11,89.7 96,89.6 95.83,89.6 95.73,89.49 95.73,89.28 95.83,89.17 96,89.17 96.11,89.06 96.11,88.85 96,88.74 95.83,88.74 95.73,88.64 95.73,87.69 95.91,87.51 97.49,87.51 97.67,87.69 97.67,88.18 97.56,88.28 v1(97.35,88.28)
PA_ETH_D1N: length 37.3
  TOP w0.107: U243.73 75.77,95.63 75.77,96.33 v1(75.45,96.65) ; v1(99.79,88.28) 99.64,88.28 99.47,88.45 99.47,89.08 U252.5 U252.6 99.47,90.05 99.47,90.61 99.72,90.86 99.72,91.37 100.08,91.73 J12.6
  BOTTOM w0.107: v1(75.45,96.65) 75.66,96.65 75.77,96.75 75.77,97.33 76.2,97.77 85.26,97.77 85.96,97.77 90.99,92.74 98.8,92.74 99.51,92.03 99.51,88.39 99.62,88.28 v1(99.79,88.28)
PA_ETH_D1P: length 37.3
  TOP w0.107: J12.5 99.06,91.72 99.42,91.36 99.42,90.98 99.17,90.74 99.17,90.05 U252.7 U252.4 99.17,89.08 99.17,88.39 99.06,88.28 v1(98.93,88.28) ; v1(76.39,96.65) 76.07,96.33 76.07,95.63 U243.72
  BOTTOM w0.107: v1(76.39,96.65) 76.18,96.65 76.07,96.75 76.07,97.2 76.33,97.46 85.83,97.46 90.86,92.43 96.03,92.43 96.14,92.33 96.14,92.24 96.25,92.13 96.46,92.13 96.57,92.24 96.57,92.33 96.67,92.43 96.89,92.43 96.99,92.33 96.99,92.24 97.1,92.13 97.31,92.13 97.42,92.24 97.42,92.33 97.53,92.43 97.74,92.43 97.85,92.33 97.85,92.24 97.95,92.13 98.17,92.13 98.27,92.24 98.27,92.33 98.38,92.43 98.67,92.43 99.21,91.9 99.21,88.39 99.1,88.28 v1(98.93,88.28)
PA_ETH_D2N: length 40.6
  TOP w0.107: U243.76 74.57,95.53 74.57,94.83 v1(74.25,94.51) ; J12.8 102.11,91.75 101.74,91.39 101.74,90.98 102.01,90.71 102.01,90.05 U253.9 U253.2 102.01,89.08 102.01,88.45 102.18,88.28 v1(102.25,88.28)
  BOTTOM w0.107: v1(74.25,94.51) 74.46,94.51 74.57,94.4 74.57,93.27 78.5,89.34 80.82,89.34 81.22,89.74 82.14,89.74 83.16,88.72 88.2,88.72 88.66,89.18 89.99,89.18 90.58,88.6 92.99,88.6 95.52,86.06 101.18,86.06 101.97,86.85 101.97,88.18 102.08,88.28 v1(102.25,88.28)
PA_ETH_D2P: length 40.5
  TOP w0.107: v1(101.39,88.28) 101.6,88.28 101.71,88.39 101.71,89.08 U253.1 U253.10 101.71,90.05 101.71,90.59 101.44,90.85 101.44,90.85 101.44,91.4 101.09,91.74 J12.7 ; U243.75 74.87,95.53 74.87,94.83 v1(75.19,94.51)
  BOTTOM w0.107: v1(101.39,88.28) 101.56,88.28 101.67,88.18 101.67,86.98 101.05,86.36 95.65,86.36 94.42,87.59 94.42,87.74 94.5,87.82 94.5,87.97 94.35,88.12 94.2,88.12 94.12,88.05 93.97,88.05 93.82,88.2 93.82,88.35 93.89,88.43 93.89,88.58 93.74,88.73 93.59,88.73 93.51,88.65 93.36,88.65 93.11,88.9 90.71,88.9 90.12,89.49 88.54,89.49 88.08,89.03 83.29,89.03 82.27,90.05 81.1,90.05 80.69,89.64 78.62,89.64 74.87,93.39 74.87,94.4 74.98,94.51 v1(75.19,94.51)
PA_ETH_D3N: length 46.9
  TOP w0.107: v1(103.83,88.28) 103.68,88.28 103.51,88.45 103.51,89.08 U253.5 U253.6 103.51,90.05 103.51,90.54 103.77,90.81 103.77,91.39 104.14,91.75 J12.10 ; v1(73.45,98.88) 73.77,98.57 73.77,95.63 U243.78
  BOTTOM w0.107: v1(73.45,98.88) 73.66,98.88 73.77,98.99 73.77,99.59 74.13,99.95 76.07,99.95 77.64,98.38 85.01,98.38 86.47,98.38 86.65,98.2 91.32,93.53 102.74,93.53 103.51,92.75 103.51,88.39 103.62,88.28 v1(103.83,88.28)
PA_ETH_D3P: length 46.9
  TOP w0.107: v1(74.39,98.88) 74.07,98.57 74.07,95.63 U243.77 ; J12.9 103.12,91.74 103.47,91.4 103.47,90.93 103.21,90.67 103.21,90.05 U253.7 U253.4 103.21,89.08 103.21,88.39 103.1,88.28 v1(102.89,88.28)
  BOTTOM w0.107: v1(74.39,98.88) 74.18,98.88 74.07,98.99 74.07,99.46 74.25,99.65 75.94,99.65 77.51,98.08 85.13,98.08 86.34,98.08 91.2,93.22 99.88,93.22 99.99,93.11 99.99,93.05 100.09,92.94 100.31,92.94 100.41,93.05 100.41,93.11 100.52,93.22 100.73,93.22 100.84,93.11 100.84,93.05 100.95,92.94 101.16,92.94 101.27,93.05 101.27,93.11 101.37,93.22 101.59,93.22 101.69,93.11 101.69,93.05 101.8,92.94 102.01,92.94 102.12,93.05 102.12,93.11 102.23,93.22 102.61,93.22 103.21,92.62 103.21,88.39 103.1,88.28 v1(102.89,88.28)
POWER_EN: length 59.6
  TOP w0.137: v1(35.49,4.27) 35.42,4.19 R288.1
  TOP w0.381: U5.4 8.95,37.54 9.43,38.03 v1(11.09,38.03) ; U69.1 v1(18.86,8.29)
  L3-SIGNAL w0.127: v1(35.49,4.27) 35.18,4.58 22.57,4.58 v1(18.86,8.29) 16.61,10.54 16.61,13.47 11.68,18.4 11.68,21.77 10,23.45 10,26.88 13.36,30.23 13.36,35.76 v1(11.09,38.03)
  BOTTOM w0.381: U63.1 11.16,38.1 v1(11.09,38.03)
PUSH_RESET: length 6.7
  TOP w0.137: R303.2 17.95,28.22 v1(17.19,28.22) 15.65,28.22 15.22,27.79 SW1.3
  BOTTOM w0.137: R300.1 18.28,28.07 C238.1 v1(17.19,28.22)
R0_LED/P4_LED0/ADDR[0]N: length 81.6
  TOP w0.137: v2(70.01,89.06) 70.01,88.55 69.76,88.3 U243.17
  L3-SIGNAL w0.127: v2(70.01,89.06) 69.78,89.28 67.53,89.28 67.28,89.54 66.39,89.54 66.08,89.23 64.23,89.23 62.35,91.12 17.68,91.12 16.85,90.29 15.07,90.29 7.49,82.71 6.32,82.71 2.28,78.66 2.28,77.16 2.76,76.67 2.76,75.89 2.76,75.89 2.76,74.59 2.42,74.25 v2(2.42,73.89)
  BOTTOM w0.137: v2(2.42,73.89) 2.42,73.17 R588.2
